# Altium PCB PCB2.PcbDoc (part 1 of 2)
Units mil, origin at the board's own origin, x right, y up, seen from the top; angles counter-clockwise.
Board outline 4322 x 2063 mil, 2 copper layers (Top Layer, Bottom Layer); 126 components, 114 nets, 474 pads, 142 vias.
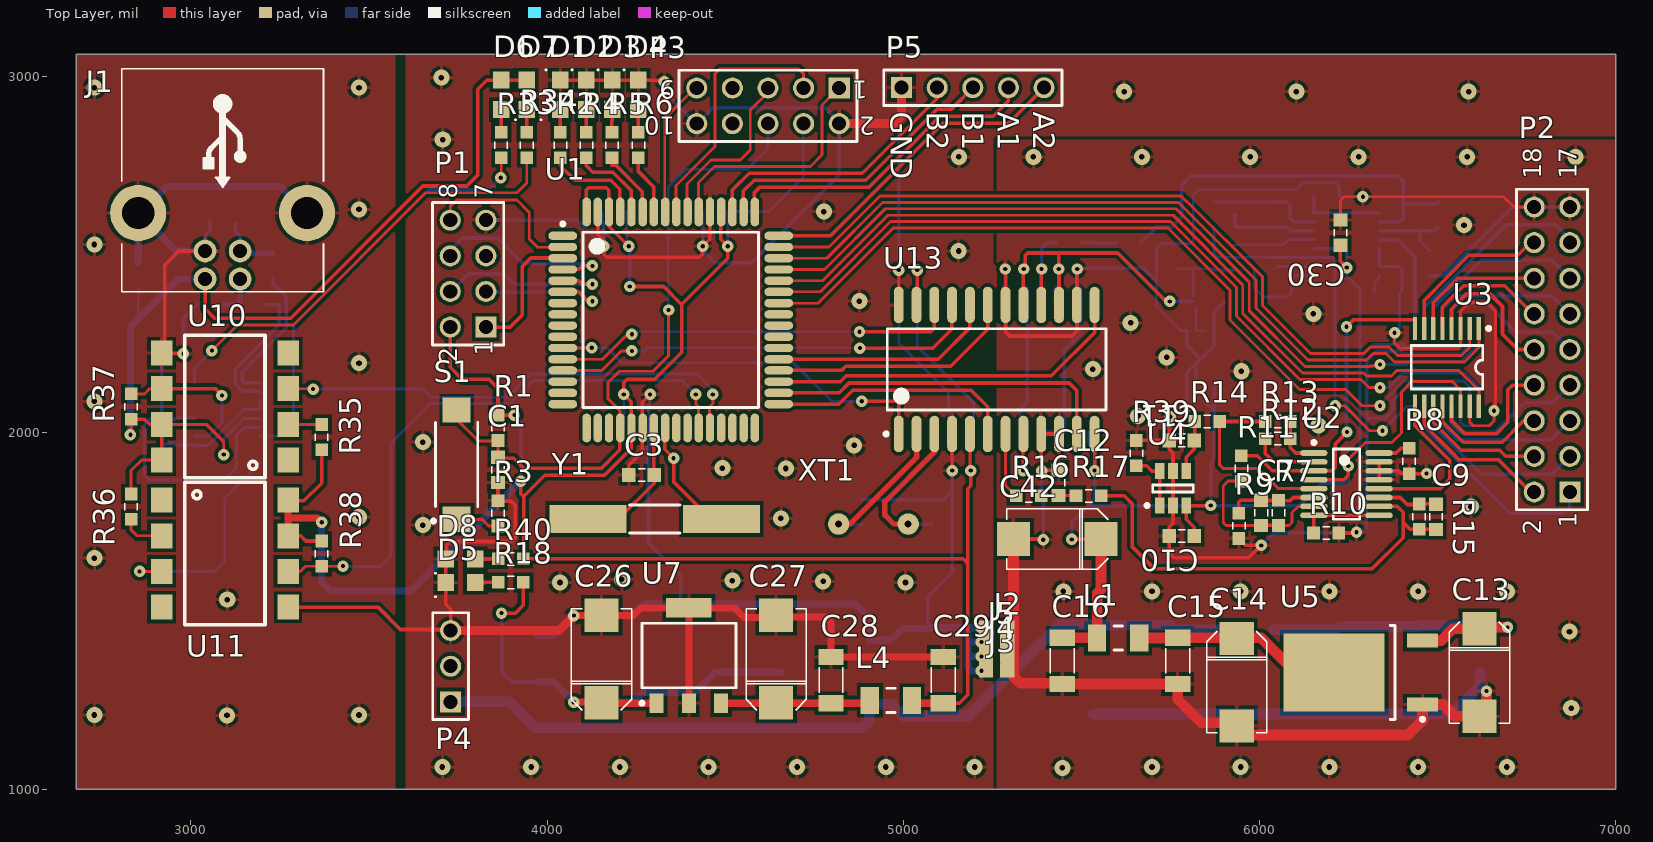
[diagram p0: Top Layer view]
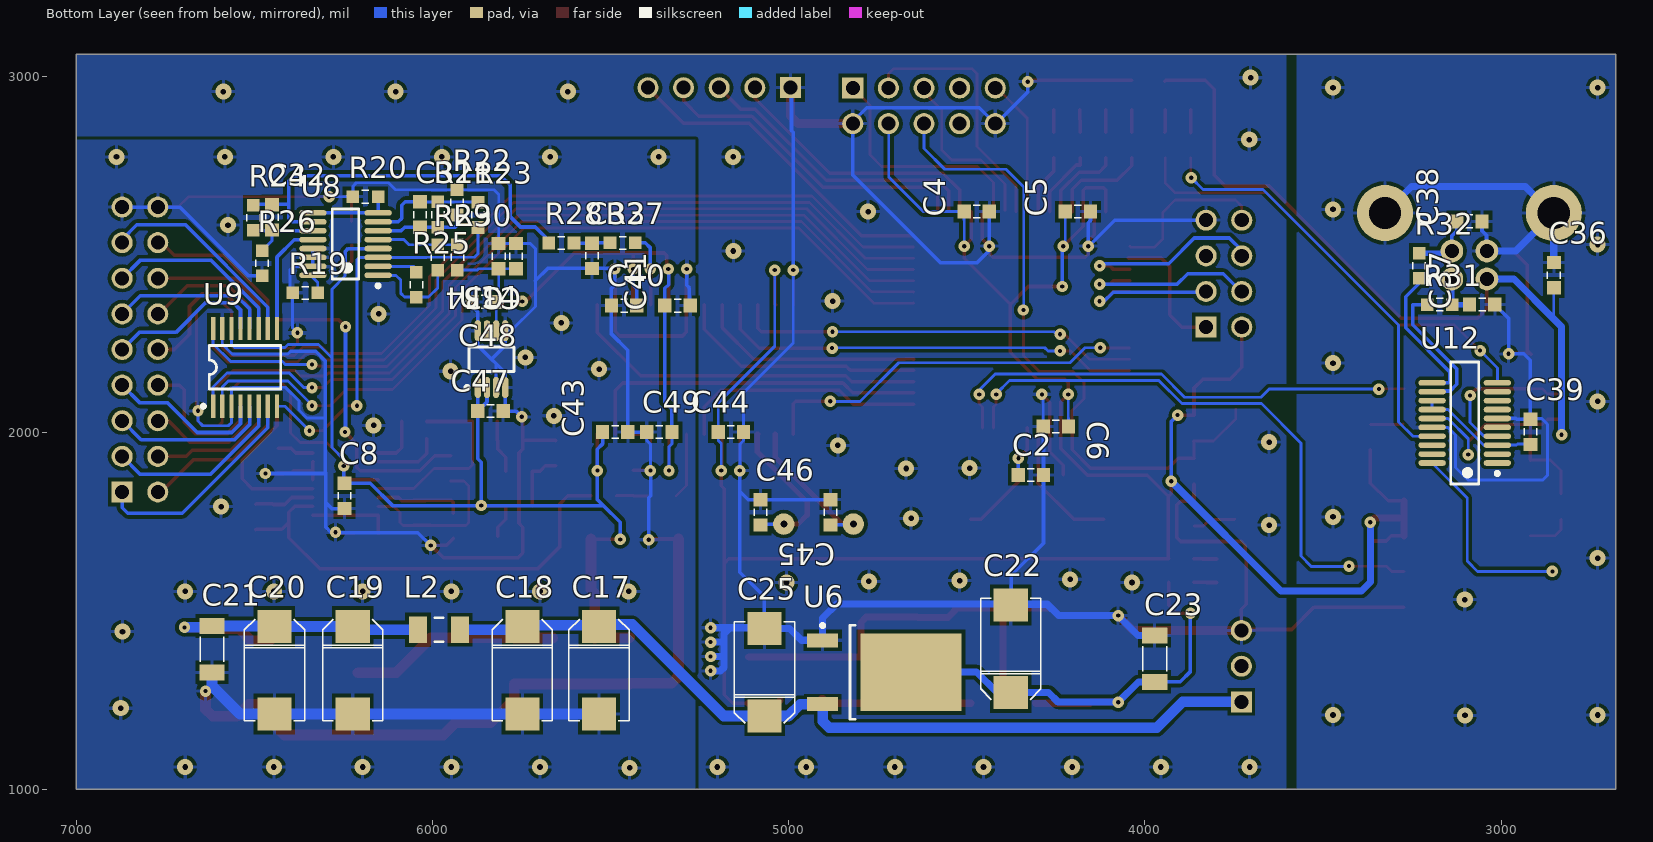
[diagram p1: Bottom Layer view, seen from below]
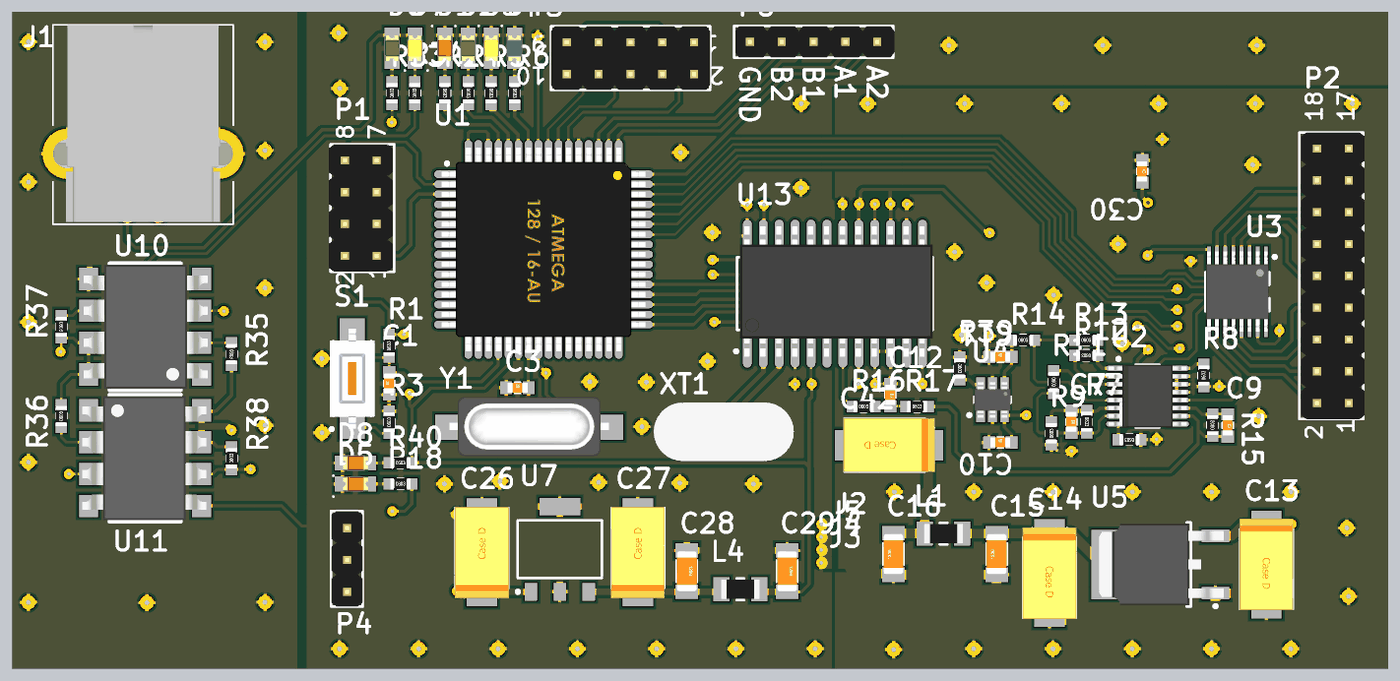
[diagram p3: 3D render of the assembled board from above, using the file's embedded part models]
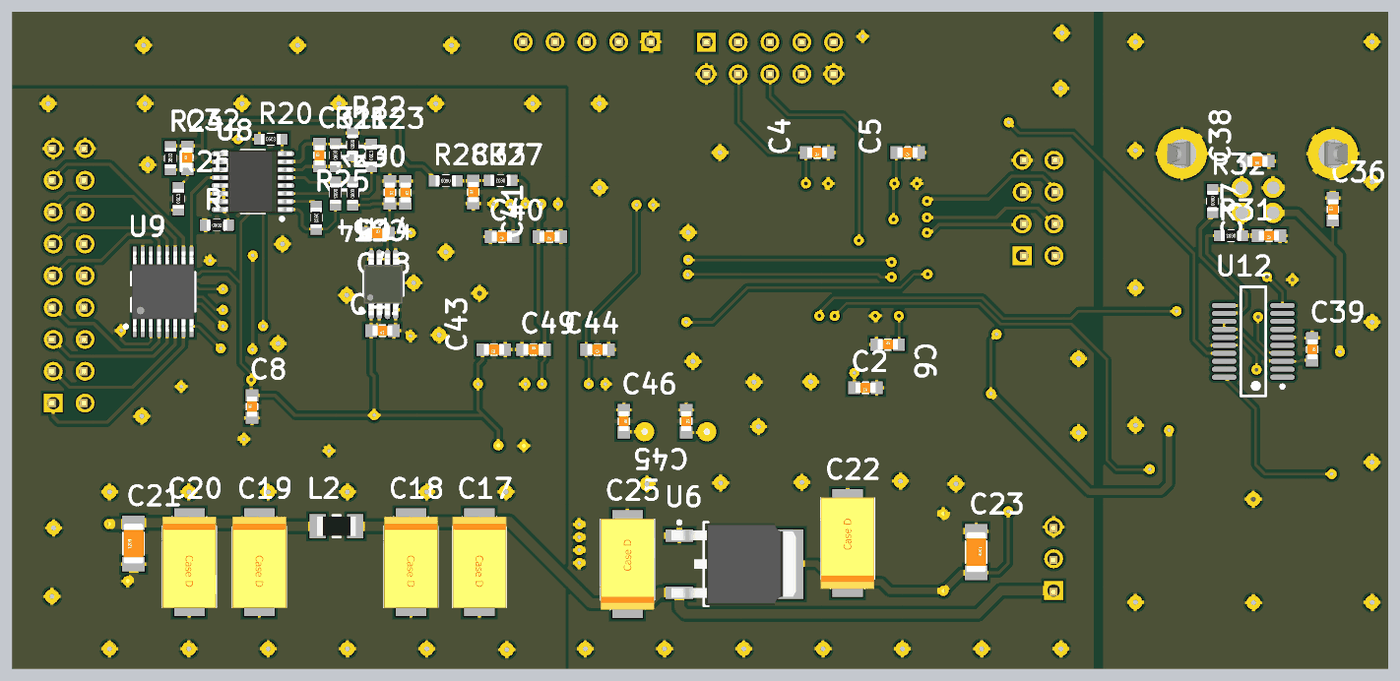
[diagram p4: 3D render of the assembled board from below, using the file's embedded part models]

## Layer stack, top to bottom
Top Solder: solder mask 0.4, Solder Resist, Dk 3.5
Top Layer: signal copper 1.4
Dielectric 1: dielectric 12.6, FR-4, Dk 4.8
Bottom Layer: signal copper 1.4
Bottom Solder: solder mask 0.4, Solder Resist, Dk 3.5

## Board outline
7000,3063 7000,1000 2678,1000 2678,3063

## Design rules (kind name [scope] priority, off if disabled: settings)
Clearance Clearance_2 [InComponent('J*') vs InComponent('J*')] p1: gap=0
Clearance [InComponent('U1') & InComponent('U10')] p2: gap=7
Clearance Clearance_1 [All] p3: gap=10 except(7: SMDPad-SMDPad)
Clearance PolygonClearance [InPolygon] p4: gap=20
ComponentClearance ComponentClearance_1Jumper [InComponent('J*') vs InComponent('J*')] p1: gap=0 collisioncheckmode=3 verticalgap=0 showdistances=FALSE
ComponentClearance [All] p2: gap=10 collisioncheckmode=3 verticalgap=10 showdistances=FALSE
DiffPairsRouting [All] p1: maxlimit=10 minlimit=10 mostfreqgap=10 toplayer_minwidth=10 toplayer_maxwidth=15 toplayer_prefwidth=10 bottomlayer_minwidth=10 bottomlayer_maxwidth=15 bottomlayer_prefwidth=10 maxuncoupledlength=500
MatchedLengths [All] p1: tolerance=100 checknetsindiffpair=TRUE checkdiffpairvsdiffpair=TRUE checkothers=TRUE
PolygonConnect [All] p1: connectstyle=Relief reliefconductorwidth=10 reliefentries=4 polygonreliefangle="90 Angle" airgapwidth=10
RoutingVias [All] p1: holewidth=11 width=32 viastyle="Through Hole" minholewidth=11 minwidth=32 maxholewidth=19.68 maxwidth=50
SolderMaskExpansion [All] p1: expansion=4
Width [All] p1: maxlimit=30 minlimit=8 preferedwidth=15 minimp=50.000000 maximp=50.000000 favimp=50.000000
28 further rules are at their usual default settings.

## Classes and differential pairs
component class U_power_unit: C13 C14 C15 C16 C17 C18 C19 C20 C21 C22 C23 C25 C26 C27 C28 C29 D5 D8 J2 J3 J4 J5 L1 L2 L4 R18 R40 U5 U6 U7
component class U_MCU: C1 C2 C3 C4 C5 C6 D1 D2 D3 D4 R1 R2 R3 R4 R5 R6 S1 U1 Y1
component class U_FTDI: C36 C37 C38 C39 D6 D7 J1 R31 R32 R33 R34 R35 R36 R37 R38 U10 U11 U12
component class U_connectors: P1 P2 P3 P4 P5
component class U_ADC: C40 C41 C42 C43 C44 C45 C46 C49 U13 XT1
component class RTD_interface: C30 C31 C32 C33 C34 C35 R19 R20 R21 R22 R23 R24 R25 R26 R27 R28 R29 R30 U8 U9
component class MOS_interface: C7 C8 C9 C10 C11 C12 R7 R8 R9 R10 R11 R12 R13 R14 R15 R16 R17 R39 U2 U3 U4
component class 2.5V-ref: C47 C48 U14
differential pair USB2: +USB2_P -USB2_N
differential pair USB: +USB_P -USB_N
differential pair MCLK: +MCLK_P -MCLK_N

## Components (designator, comment, footprint, x,y, rotation, side; value= is the part's Value field where it differs from the comment)
C1 "0603" SMD_Capacitor_0603 3862,1896 r90 top
C2 "0603" SMD_Capacitor_0603 4320,1882 r0 bottom
C3 "0603" SMD_Capacitor_0603 4265,1882 r0 top
C4 "0603" SMD_Capacitor_0603 4472,2621 r0 bottom
C5 "0603" SMD_Capacitor_0603 4188,2621 r0 bottom
C6 "0603" SMD_Capacitor_0603 4250,2018 r180 bottom
C7 "0603" SMD_Capacitor_0603 6004.56,1775.51 r270 top
C8 "0603" SMD_Capacitor_0603 6247,1823 r90 bottom
C9 "0603" SMD_Capacitor_0603 6495.74,1764 r270 top
C10 "0603" SMD_Capacitor_0603 5781.5,1710.25 r0 top
C11 "0603" SMD_Capacitor_0603 5781.5,1979.25 r0 top
C12 "0603" SMD_Capacitor_0603 5436,1859.57 r270 top
C13 "Tantalum" Tantalum_cap_D 6617,1327 r270 top
C14 "Tantalum" Tantalum_cap_D 5936,1300 r270 top
C15 "1206" SMD_Capacitor_1206 5770,1360 r90 top
C16 "1206" SMD_Capacitor_1206 5446,1360 r90 top
C17 "Tantalum" Tantalum_cap_D 5532.66,1333.77 r270 bottom
C18 "Tantalum" Tantalum_cap_D 5747.66,1333.77 r270 bottom
C19 "Cap2" Tantalum_cap_D 6223.66,1333.77 r270 bottom
C20 "Tantalum" Tantalum_cap_D 6443.66,1333.77 r270 bottom
C21 "1206" SMD_Capacitor_1206 6618.66,1392.66 r90 bottom
C22 "Tantalum" Tantalum_cap_D 4376.45,1394 r90 bottom
C23 "1206" SMD_Capacitor_1206 3972.53,1366 r270 bottom
C25 "Tantalum" Tantalum_cap_D 5067.45,1328 r90 bottom
C26 "Tantalum" Tantalum_cap_D 4153,1365 r90 top
C27 "Tantalum" Tantalum_cap_D 4643,1365 r90 top
C28 "1206" SMD_Capacitor_1206 4797,1306 r270 top
C29 "1206" SMD_Capacitor_1206 5112,1306 r270 top
C30 "0603" SMD_Capacitor_0603 6227,2562 r270 top
C31 "0603" SMD_Capacitor_0603 6034.75,2613 r90 bottom
C32 "0603" SMD_Capacitor_0603 6450,2605 r90 bottom
C33 "0603" SMD_Capacitor_0603 5552,2497 r90 bottom
C34 "0603" SMD_Capacitor_0603 5814,2496 r270 bottom
C35 "0603" SMD_Capacitor_0603 5765,2496 r270 bottom
C36 "0603" SMD_Capacitor_0603 2851.99,2443 r90 bottom
C37 "0603" SMD_Capacitor_0603 3053,2360 r0 bottom
C38 "0603" SMD_Capacitor_0603 3089,2594 r0 bottom
C39 "0603" SMD_Capacitor_0603 2917,2003 r270 bottom
C40 "0603" SMD_Capacitor_0603 5462,2357 r0 bottom
C41 "0603" SMD_Capacitor_0603 5312,2357 r0 bottom
C42 "Tantalum" Tantalum_cap_D 5432,1702 r180 top
C43 "0603" SMD_Capacitor_0603 5487,2002 r0 bottom
C44 "0603" SMD_Capacitor_0603 5162,2002 r0 bottom
C45 "0603" SMD_Capacitor_0603 4883,1777 r270 bottom
C46 "0603" SMD_Capacitor_0603 5079,1777 r270 bottom
C47 "0603" SMD_Capacitor_0603 5837,2061.32 r0 bottom
C48 "ESR < 0.1 Ohm" SMD_Capacitor_0603 5853,2368 r180 bottom
C49 "0603" SMD_Capacitor_0603 5363,2002 r180 bottom
D1 "LED3" "LED 0805 RED" 4037.01,2949 r90 top
D2 "LED3" "LED 0805 GREEN" 4110.01,2949 r90 top
D3 "LED3" "LED 0805 Yellow" 4183.01,2949 r90 top
D4 "LED3" "LED 0805 Blue" 4256.01,2949 r90 top
D5 "LED3" "LED 0805 RED" 3756.68,1580 r180 top
D6 "green" "LED 0805 GREEN" 3871,2949 r270 top
D7 "yellow" "LED 0805 Yellow" 3943,2949 r270 top
D8 "LED?" "LED 0805 RED" 3756.68,1646 r180 top
J1 "USB-B" USB_TypeB_Tyco 3089,3022 r270 top
J2 "2 way net tie junction" 2way_MP 5262,1453 r0 top net-tie
J3 "2 way net tie junction" 2way_MP 5262,1333 r0 top net-tie
J4 "2 way net tie junction" 2way_MP 5262,1373 r0 top net-tie
J5 "2 way net tie junction" 2way_MP 5262,1413 r0 top net-tie
L1 "Ferrite Bead" "Ferrite 1206" 5603,1424 r180 top
L2 "Ferrite Bead" "Ferrite 1206" 5981.42,1447.22 r0 bottom
L4 "Ferrite Bead" "Ferrite 1206" 4965,1249 r0 top
P1 "ESP8266" "Header 2x4" 3778,2447 r90 top
P2 "MOS board" "Header 2x9" 6821,2234 r90 top
P3 "JTAG" "Header 2x5" 4620,2918 r180 top
P4 "Power" "Header 1x3" 3729,1345 r90 top
P5 "H-bridge" "Header 1x5" 5195,2969 r0 top
R1 "0603" SMD_Resistor_0603 3862,2014 r90 top
R2 "0603" SMD_Resistor_0603 4037.28,2808 r270 top
R3 "0603" SMD_Resistor_0603 3862,1774.17 r90 top
R4 "0603" SMD_Resistor_0603 4110.28,2808 r270 top
R5 "0603" SMD_Resistor_0603 4182.01,2808 r270 top
R6 "0603" SMD_Resistor_0603 4256.28,2808 r270 top
R7 "0603" SMD_Resistor_0603 6052.99,1775.51 r270 top
R8 "0603" SMD_Resistor_0603 6420,1921 r90 top
R9 "0603" SMD_Resistor_0603 5942,1739 r90 top
R10 "0603" SMD_Resistor_0603 6187,1719 r180 top
R11 "0603" SMD_Resistor_0603 5949,1900 r270 top
R12 "0603" SMD_Resistor_0603 6051,1984 r180 top
R13 "0603" SMD_Resistor_0603 6051,2032 r0 top
R14 "0603" SMD_Resistor_0603 5853,2032 r0 top
R15 "0603" SMD_Resistor_0603 6448,1765 r90 top
R16 "0603" SMD_Resistor_0603 5352,1823.15 r0 top
R17 "0603" SMD_Resistor_0603 5520,1823.15 r0 top
R18 "0603" SMD_Resistor_0603 3897.68,1580.27 r0 top
R19 "0603" SMD_Resistor_0603 6357,2393 r180 bottom
R20 "0603" SMD_Resistor_0603 6188,2663 r180 bottom
R21 "0603" SMD_Resistor_0603 5984.75,2613 r90 bottom
R22 "0603" SMD_Resistor_0603 5931,2647 r270 bottom
R23 "0603" SMD_Resistor_0603 5872,2612 r90 bottom
R24 "0603" SMD_Resistor_0603 6503,2604 r90 bottom
R25 "0603" SMD_Resistor_0603 6045,2416 r270 bottom
R26 "0603" SMD_Resistor_0603 6478,2476 r90 bottom
R27 "0603" SMD_Resistor_0603 5466,2533.42 r0 bottom
R28 "0603" SMD_Resistor_0603 5638,2533 r0 bottom
R29 "0603" SMD_Resistor_0603 5985,2492.5 r270 bottom
R30 "0603" SMD_Resistor_0603 5930,2492.5 r90 bottom
R31 "0603" SMD_Resistor_0603 3172,2360 r0 bottom
R32 "0603" SMD_Resistor_0603 3230,2469 r270 bottom
R33 "0603" SMD_Resistor_0603 3871,2808 r90 top
R34 "0603" SMD_Resistor_0603 3942.73,2808 r90 top
R35 "0603" SMD_Resistor_0603 3367,1988 r270 top
R36 "0603" SMD_Resistor_0603 2832,1793 r90 top
R37 "0603" SMD_Resistor_0603 2832,2074 r270 top
R38 "0603" SMD_Resistor_0603 3367,1661 r90 top
R39 "0603" SMD_Resistor_0603 5654,1943 r270 top
R40 "0603" SMD_Resistor_0603 3897.68,1646.27 r0 top
S1 "SW-PB" "Tact Switch 3x6" 3746,1911 r90 top
U1 "ATmega128A-AU" 64A_M 4347,2317 r0 top
U2 "LTC6079" SSOP-16 6244,1856 r0 top
U3 "ADG709" TSSOP16 6526,2184 r180 top
U4 "ADR130BUJZ-R2" ADI-UJ-6_M 5756.96,1844.25 r90 top
U5 "LMS8117-TO3" TD03B_M 6284,1327 r180 top
U6 "LMS8117-TO3" TD03B_M 4731.45,1328 r180 bottom
U7 "LT1129MPST-3.3#PBF" LT-ST-3-SOT-223_N 4398,1375 r90 top
U8 "LTC6079" SSOP-16 6244,2530 r0 bottom
U9 "ADG709" TSSOP16 6526,2184 r180 bottom
U10 "6N137" "Surface Mount DIP 8-pin" 3273,1924 r180 top
U11 "6N137" "Surface Mount DIP 8-pin" 2918,1811 r0 top
U12 "COM-USB-FT231XS-IL20" SSOP-20_L 3102,2028 r0 bottom
U13 "AD7714YRZ" RW-24_M 5262,2178 r90 top
U14 "LTC6655-2.5" MSOP-8 5834.05,2207.04 r90 bottom
XT1 "2.4576MHz" HC49U 4916,1744 r0 top
Y1 "11.0592MHz" Quartz 4302,1758 r0 top

## Footprints (in the part's own frame and the unit in brackets; to place one, negate y for a bottom-side part, rotate by r counter-clockwise, add the part's x,y. Pads: shape width x height; smd on the part's side, far side on the other; paste and mask are expansions set on the pad)
2way_MP [mil] "2 way medium power net tie junction"
  rrect5% 40x40 smd paste-100: 1(-30,0) 2(30,0)
64A_M [mm] "Thin QFP, 64-Leads, Body 14x14mm, Pitch 0.8mm, IPC Low Density"
  oval 2.05x0.6 smd: 1(-7.7,6) 2(-7.7,5.2) 3(-7.7,4.4) 4(-7.7,3.6) 5(-7.7,2.8) 6(-7.7,2) 7(-7.7,1.2) 8(-7.7,0.4) 9(-7.7,-0.4) 10(-7.7,-1.2) 11(-7.7,-2) 12(-7.7,-2.8) 13(-7.7,-3.6) 14(-7.7,-4.4) 15(-7.7,-5.2) 16(-7.7,-6) 33(7.7,-6) 34(7.7,-5.2) 35(7.7,-4.4) 36(7.7,-3.6) 37(7.7,-2.8) 38(7.7,-2) 39(7.7,-1.2) 40(7.7,-0.4) 41(7.7,0.4) 42(7.7,1.2) 43(7.7,2) 44(7.7,2.8) 45(7.7,3.6) 46(7.7,4.4) 47(7.7,5.2) 48(7.7,6)
  oval 0.6x2.05 smd: 17(-6,-7.7) 18(-5.2,-7.7) 19(-4.4,-7.7) 20(-3.6,-7.7) 21(-2.8,-7.7) 22(-2,-7.7) 23(-1.2,-7.7) 24(-0.4,-7.7) 25(0.4,-7.7) 26(1.2,-7.7) 27(2,-7.7) 28(2.8,-7.7) 29(3.6,-7.7) 30(4.4,-7.7) 31(5.2,-7.7) 32(6,-7.7) 49(6,7.7) 50(5.2,7.7) 51(4.4,7.7) 52(3.6,7.7) 53(2.8,7.7) 54(2,7.7) 55(1.2,7.7) 56(0.4,7.7) 57(-0.4,7.7) 58(-1.2,7.7) 59(-2,7.7) 60(-2.8,7.7) 61(-3.6,7.7) 62(-4.4,7.7) 63(-5.2,7.7) 64(-6,7.7)
  silkscreen extent -7.82,-6.25 6.25,6.97, body extent -8.12,-8.12 8.12,8.12, height 1.35
ADI-UJ-6_M [mm] "SOT23, 6-Leads, Body 2.9x1.6mm, Pitch 0.95mm, IPC Low Density"
  rect 1.15x0.7 smd: 1(-1.225,0.95) 2(-1.225,0) 3(-1.225,-0.95) 4(1.225,-0.95) 5(1.225,0) 6(1.225,0.95)
  silkscreen extent -1.35,-1.45 0.25,1.97, body extent -1.41,-1.45 1.41,1.45, height 1.25
"Ferrite 1206" [mm]
  rect 1.3x1.92 smd: 1(-1.5,0) 2(1.5,0)
  silkscreen extent -0.3,-0.86 0.3,0.86, body extent -1.55,-0.77 1.55,0.78, height 0.55
HC49U [mil]
  round 60 hole 19.68: 1(-97.64,0) 2(97.64,0)
  body extent -223,-92 217,92, height 531
"Header 1x3" [mm]
  rect 1.5x1.5 hole 1: 1(-2.54,0)
  round 1.5 hole 1: 2(0,0) 3(2.54,0)
  silkscreen extent -3.81,-1.27 3.81,1.27, body extent -3.81,-1.27 3.81,1.23, height 8.2
"Header 1x5" [mm]
  rect 1.5x1.5 hole 1: 1(-5.08,0)
  round 1.5 hole 1: 2(-2.54,0) 3(0,0) 4(2.54,0) 5(5.08,0)
  silkscreen extent -6.35,-1.27 6.35,1.27, body extent -6.25,-1.25 6.45,1.25, height 8.2
"Header 2x4" [mm]
  rect 1.5x1.5 hole 1: 1(-3.81,-1.27)
  round 1.5 hole 1: 2(-3.81,1.27) 3(-1.27,-1.27) 4(-1.27,1.27) 5(1.27,-1.27) 6(1.27,1.27) 7(3.81,-1.27) 8(3.81,1.27)
  silkscreen extent -5.08,-2.54 5.08,2.54, body extent -5.08,-2.41 5.08,2.67, height 8.5
"Header 2x5" [mm]
  rect 1.5x1.5 hole 1: 1(-5.08,-1.27)
  round 1.5 hole 1: 2(-5.08,1.27) 3(-2.54,-1.27) 4(-2.54,1.27) 5(0,-1.27) 6(0,1.27) 7(2.54,-1.27) 8(2.54,1.27) 9(5.08,-1.27) 10(5.08,1.27)
  silkscreen extent -6.35,-2.54 6.35,2.54, body extent -6.35,-2.54 6.35,2.54, height 8.5
"Header 2x9" [mm]
  rect 1.5x1.5 hole 1: 1(-10.16,-1.27)
  round 1.5 hole 1: 2(-10.16,1.27) 3(-7.62,-1.27) 4(-7.62,1.27) 5(-5.08,-1.27) 6(-5.08,1.27) 7(-2.54,-1.27) 8(-2.54,1.27) 9(0,-1.27) 10(0,1.27) 11(2.54,-1.27) 12(2.54,1.27) 13(5.08,-1.27) 14(5.08,1.27) 15(7.62,-1.27) 16(7.62,1.27) 17(10.16,-1.27) 18(10.16,1.27)
  silkscreen extent -11.43,-2.54 11.43,2.54, body extent -11.43,-2.67 11.43,2.41, height 8.5
"LED 0805 Blue" [mm]
  rect 1.2x1.2 smd: 1(-1.05,0) 2(1.05,0)
  silkscreen extent 1.73,0.97 1.83,1.07, body extent -1.01,-0.62 1.01,0.63, height 1.1
"LED 0805 GREEN" [mm]
  rect 1.2x1.2 smd: 1(-1.05,0) 2(1.05,0)
  silkscreen extent 1.73,0.97 1.83,1.07, body extent -1.01,-0.62 1.01,0.63, height 1.1
"LED 0805 RED" [mm] "SODFL, 2-Leads, Body 1,25x2,00mm, IPC Medium Density"
  rect 1.2x1.2 smd: 1(-1.05,0) 2(1.05,0)
  silkscreen extent 1.73,0.97 1.83,1.07, body extent -1.01,-0.62 1.01,0.63, height 1.1
"LED 0805 Yellow" [mm]
  rect 1.2x1.2 smd: 1(-1.05,0) 2(1.05,0)
  silkscreen extent 1.73,0.97 1.83,1.07, body extent -1.01,-0.62 1.01,0.63, height 1.1
LT-ST-3-SOT-223_N [mm] "SOT223, 4-Leads, Body 6.505x3.505mm, Pitch 2.3mm, IPC Medium Density"
  rect 1.4x1 smd: 1(-3.4,2.3) 2(-3.4,0) 3(-3.4,-2.3)
  rect 1.4x3.25 smd: 4(3.4,0)
  silkscreen extent -3.52,-3.35 2.3,3.47, body extent -1.86,-3.35 1.86,3.35, height 1.8
MSOP-8 [mm] "MSOP, 8-Leads, Body 3x3mm, Pitch 0.65mm, IPC High Density"
  oval 1.5x0.45 smd: 1(-2.025,0.975) 2(-2.025,0.325) 3(-2.025,-0.325) 4(-2.025,-0.975) 5(2.025,-0.975) 6(2.025,-0.325) 7(2.025,0.325) 8(2.025,0.975)
  silkscreen extent -2.15,-1.6 0.87,1.88, body extent -2.47,-1.55 2.47,1.55, height 1.1
Quartz [mm]
  rect 5.5x2 smd: 1(-4.75,0) 2(4.75,0)
  silkscreen extent -1.8,-1 1.8,1, body extent -6.35,-2.29 6.35,2.41, height 4.2
RW-24_M [mm] "SOIC, 24-Leads, Body 15.4x7.5mm, Pitch 1.27mm, IPC Low Density"
  oval 2.6x0.7 smd: 1(-4.6,6.985) 2(-4.6,5.715) 3(-4.6,4.445) 4(-4.6,3.175) 5(-4.6,1.905) 6(-4.6,0.635) 7(-4.6,-0.635) 8(-4.6,-1.905) 9(-4.6,-3.175) 10(-4.6,-4.445) 11(-4.6,-5.715) 12(-4.6,-6.985) 13(4.6,-6.985) 14(4.6,-5.715) 15(4.6,-4.445) 16(4.6,-3.175) 17(4.6,-1.905) 18(4.6,-0.635) 19(4.6,0.635) 20(4.6,1.905) 21(4.6,3.175) 22(4.6,4.445) 23(4.6,5.715) 24(4.6,6.985)
  silkscreen extent -4.72,-7.8 2.9,8.01, body extent -5.02,-7.8 5.38,7.6, height 2.6
SMD_Capacitor_0603 [mm] "SMD Capacitor, Inch 0603, Metric 1608."
  rect 0.95x1 smd: 1(-0.9,0) 2(0.9,0)
  silkscreen extent -0.25,-0.45 0.25,0.45, body extent -0.8,-0.4 0.8,0.4, height 0.3
SMD_Capacitor_1206 [mm] "SMD Capacitor, Inch 1206, Metric 3216."
  rect 1.15x1.8 smd: 1(-1.65,0) 2(1.65,0)
  silkscreen extent -0.9,-0.85 0.9,0.85, body extent -1.6,-0.8 1.6,0.8, height 1
SMD_Resistor_0603 [mm] "SMD Resistor, Inch 0603, Metric 1608."
  rect 0.9x0.9 smd: 1(-0.9,0) 2(0.9,0)
  silkscreen extent -0.25,-0.45 0.25,0.45, body extent -0.8,-0.45 0.8,0.45, height 0.5
SSOP-16 [mm] "SOP, 16-Leads, Body 5x4mm, Pitch 0.635mm, IPC High Density"
  oval 1.95x0.4 smd: 1(-2.325,2.222) 2(-2.325,1.587) 3(-2.325,0.953) 4(-2.325,0.318) 5(-2.325,-0.318) 6(-2.325,-0.953) 7(-2.325,-1.587) 8(-2.325,-2.222) 9(2.325,-2.222) 10(2.325,-1.587) 11(2.325,-0.953) 12(2.325,-0.318) 13(2.325,0.318) 14(2.325,0.953) 15(2.325,1.587) 16(2.325,2.222)
  silkscreen extent -2.45,-2.5 0.95,3.1, body extent -3.13,-2.5 3.13,2.5, height 1.74
SSOP-20_L [mm] "SOP, 20-Leads, Body 8.6x3.9mm, Pitch 0.635mm, IPC High Density"
  oval 1.95x0.4 smd: 1(-2.325,2.857) 2(-2.325,2.222) 3(-2.325,1.587) 4(-2.325,0.953) 5(-2.325,0.318) 6(-2.325,-0.318) 7(-2.325,-0.953) 8(-2.325,-1.587) 9(-2.325,-2.222) 10(-2.325,-2.857) 11(2.325,-2.857) 12(2.325,-2.222) 13(2.325,-1.587) 14(2.325,-0.953) 15(2.325,-0.318) 16(2.325,0.318) 17(2.325,0.953) 18(2.325,1.587) 19(2.325,2.222) 20(2.325,2.857)
  silkscreen extent -2.45,-4.35 1,4.35, body extent -1.99,-4.37 1.99,4.37, height 1.76
"Surface Mount DIP 8-pin" [mil]
  rect 60x70 smd: 1(0,0) 2(0,-100) 3(0,-200) 4(0,-300) 5(355,-300) 6(355,-200) 7(355,-100) 8(355,0)
  silkscreen extent 65,-350 290,50, body extent -20,-345 370,45, height 171
"Tact Switch 3x6" [mm] "SODFL, 2-Leads, Body 3,00x8,00mm, IPC Medium Density"
  rect 1.8x2 smd: 1(-3.9,0) 2(3.9,0)
  silkscreen extent -4.15,-1.5 3,1.77, body extent -4,-1.8 4,1.8, height 2.6
Tantalum_cap_D [mm] "Tantalum capacitor D-package. Also named EIA 7343-31."
  rect 2.37x2.43 smd: 1(-3.12,0) 2(3.12,0)
  silkscreen extent -3.64,-2.15 3.6,2.15, body extent -3.65,-2.15 3.65,2.15, height 2.85
TD03B_M [mm] "D-PAK, 4-Leads, Body 6.1x6.6mm, Pitch 2.29mm, Lead Span 9.7mm, IPC Low Density"
  rect 2.2x1 smd: 1(-4.4,2.28) 3(-4.4,-2.28)
  rect 7.2x5.55 smd: 4(1.9,0)
  silkscreen extent -4.52,-3.35 -2.1,3.45, body extent -5.05,-3.27 4.89,3.27, height 2.29
TSSOP16 [mm] "Shrink Small Outline; 16 Leads; Body Width 4.4 mm; Pitch 0.65 mm"
  rect 0.3x1.65 smd: 1(-2.275,-2.775) 2(-1.625,-2.775) 3(-0.975,-2.775) 4(-0.325,-2.775) 5(0.325,-2.775) 6(0.975,-2.775) 7(1.625,-2.775) 8(2.275,-2.775) 9(2.275,2.775) 10(1.625,2.775) 11(0.975,2.775) 12(0.325,2.775) 13(-0.325,2.775) 14(-0.975,2.775) 15(-1.625,2.775) 16(-2.275,2.775)
  silkscreen extent -3.1,-2.9 2.55,1.55, body extent -2.5,-3.2 2.5,3.2, height 1.1
USB_TypeB_Tyco [mm]
  round 1.626 hole 1: 1(14.99,-1.25) 2(14.99,1.25) 3(12.99,1.25) 4(12.99,-1.25)
  round 4 hole 2.3: MH(10.28,6.02) MH(10.28,-6.02)
  silkscreen extent 0,-7.2 15.9,7.2, body extent 0,-7.19 15.7,7.19, height 11.5

## Part data
C1 C4 C5 C6 C7 C8 C9 C10 C11 C12 C15 C16 C21 C23 C28 C29 C30 C31 C32 C33 C34 C35 C36 C37 C38 C39 C47 C48: library part Cap, "Capacitor"
C2 C3 C40 C41 C43 C44 C45 C46 C49: library part Cap1, "Capacitor"
C13 C14 C17 C18 C20 C22 C25 C26 C27: library part Cap2, "Capacitor"
C19: "Capacitor"
C42: library part "Cap Pol1", "Polarized Capacitor (Radial)"
D1 D2 D3 D4 D5: "Typical BLUE SiC LED"
D6 D7: library part LED2, "Typical RED, GREEN, YELLOW, AMBER GaAs LED"
D8: library part LED3, "Typical BLUE SiC LED"
J1: library part USB_TypeB, "Connector THT Type B USB connector"
J2 J3 J4 J5: library part 2way
L1 L2 L4: library part Inductor, "Inductor"
P1: library part "Header 4X2", "Header, 4-Pin, Dual row"
P2: library part "Header 9X2", "Header, 9-Pin, Dual row"
P3: library part "Header 5X2", "Header, 5-Pin, Dual row"
P4: library part "Header 3", "Header, 3-Pin"
P5: library part "Header 5", "Header, 5-Pin"
R1 R2 R3 R4 R5 R6 R7 R8 R9 R10 R11 R12 R13 R14 R15 R16 R17 R18 R19 R20 R21 R22 R23 R24 R25 R26 R27 R28 R29 R30 R31 R32 R33 R34 R35 R36 R37 R38 R39 R40: library part Res2, "Resistor"
S1: "Switch"
U1: "8-bit AVR Microcontroller, 2.7-5.5V, 16MHz, 128KB Flash, 4KB EEPROM, 4KB SRAM, 64-pin TQFP, Industrial Grade (-40°C to 85°C)"
U2 U8: "Rail-to-rail, quad operational amplifier. Library compatible with LTC608X LTC607X op-amps"
U3 U9: "CMOS Analog 4-Channel Multiplexer"
U4: "Precision Series Sub-Band Gap Voltage Reference, 1 V Output, 2 to 18 V Supply, Industrial, 6-pin SOT23 (UJ-6), Reel"
U7: "Micropower Low Dropout Regulator with Shutdown, 4.15 to 30 V Vin, 3.3 V Vout, 3-pin SOT223 (ST-3), -55 to 125 degC, Pb-Free"
U13: "5 Channel 24-Bit Signal Conditioning Analog-to-Digital Converter with Serial, SPI Interface, 500 uA, CMOS, 3 V / 5 V, 1KSPS, -40 to +105 degC, RW-24, Pb-Free, Tube"
U14: "0.25ppm Noise, Low Drift  Precision References"
XT1: library part Crystal, "AKER  C-2.4576-18-3050-X"
Y1: library part XTAL, "LF XTAL003519"

## Via types
v1: diameter 32, hole 11.81, Top Layer to Bottom Layer, 74 vias
v2: diameter 45, hole 15.75, Top Layer to Bottom Layer, 68 vias

## Nets (pads, with @x,y where several pads share a name; then routed paths per layer and width w, separated by ;. In a path a pad name is that pad's centre, name@x,y a point inside that pad or via, vN(x,y) a via of type N, cw(c..) or ccw(c..) an arc to the next point about the centre after c; other vN are vias at no path point)
2.5V-REF: C34.2 C35.2 C40.1 C41.2 C48.2 C49.2 R30.1 U13.8 U13.15 U13.17 U14.6 U14.7 | length 1940.8
  Top Layer w8: v1(5336,1894) U13.8@5336,1996.9
  Top Layer w10: U13.17@5337,2359.1 v1@5337,2458 ; v1@5337,2459 v1(5338,2460) 5342,2464 5342,2498 5349,2505 5436,2505 ; U13.15@5437,2359.1 5437,2459 v1(5436,2460) v1@5436,2460.5 ; v1@5437,2459.5 5436.25,2460.25 v1@5436,2460.5 ; v1(5748,2369) 5739.37,2369 5738.69,2368.31 5602,2505 5436,2505 ; v1@5436,2460.5 5436,2505
  Bottom Layer w8: C49.2@5327.57,2002 5327.57,1969.43 5336,1961 v1(5336,1894) ; C35.2@5765,2460.57 C34.2@5814,2460.57 ; C48.2@5814,2384.88 C34.2@5814,2460.57 ; C48.2@5821,2350.75 5821,2287.01 U14.6@5821.25,2286.76 U14.7@5846.84,2286.76 ; R30.1@5930,2457.07 5929.93,2457 5874,2457 5870.43,2460.57 C34.2@5814,2460.57
  Bottom Layer w10: C49.2@5327.57,2002 5327.57,2066.57 5347.43,2086.43 C41.2@5347.43,2357 5347.43,2405.57 5337,2416 v1@5337,2460 ; C40.1@5426.57,2357 5426.57,2404.57 5436,2414 v1(5436,2460) ; v1(5748,2369) C48.2@5811.57,2369
3V3-DIG: C4.2 C5.2 C6.2 C29.2 C44.2 L4.2 P1.2 P3.4 R1.2 R35.2 R38.2 R40.2 U1.21 U1.52 U1.62 U1.64 U11.7 U11.8 U13.5 U13.23 | length 7555.4
  Top Layer w8: v1@5187,1896 U13.5@5187,1996.9
  Top Layer w10: U11.8@3271,1807 3273,1809 3317,1809 3367,1859 R35.2@3367,1952.57 ; U11.7@3273,1711 3308,1711 3322.57,1696.43 R38.2@3367,1696.43 ; P1.2@3728,2299 P1.2@3728,2297 3728,2184 3761,2151 3837,2151 3862,2126 R1.2@3862,2049.43 3906.43,2049.43 v1@3907,2050 ; v1(3926,1864) 3926,1829 3933,1822 3934,1822 3993,1881 4161,1881 4236,1956 4236,2013.62 4235.76,2013.86 4235.76,2087.24 v1(4215,2108) 4215,2141 4225,2151 4302.46,2151 4378,2226.54 4378,2360 4327,2411 v1@4233,2411 ; R40.2@3933.12,1646.27 5167.73,1646.27 5180.5,1633.5 ; R40.2@3934,1647 3934,1821 ; U1.64@4109.78,2620.16 4109.78,2681.78 4116,2688 4166,2688 4172.77,2681.23 4172.77,2620.15 4172.77,2580.23 v1(4229,2524) ; 4378,2361 4507,2490 v1(4507,2524) 4487.73,2543.27 U1.52@4487.73,2620.15 ; U13.23@5037,2359.1 5039,2361.1 v1(5039,2457) ; C29.2@5112,1241.04 5157.04,1241.04 5181,1265 5181,1633 5180.5,1633.5 ; 5180,1633 5180.5,1633.5 ; v1@5187,1896 v1(5189,1894) 5189,1852 5180.5,1843.5 5180.5,1633.5
  Top Layer w20: U11.7@3273,1711 3273,1761 ; U11.8@3273,1809 3273,1761 ; v1(3367,1749) 3355,1761 3273,1761 ; L4.2@5024.06,1249 5032.02,1241.04 C29.2@5112,1241.04
  Bottom Layer w8: C6.2@4214.57,2018 4214.57,2041.68 4215,2042.12 v1(4215,2108) ; C5.2@4223.43,2621 4223.43,2529.57 v1(4229,2524) v1@4232,2521 ; v1(4507,2524) 4507,2596.88 4507.43,2597.32 C4.2@4507.43,2621 4622,2621 4719,2718 4719,2868 4719.5,2868.5 P3.4@4720,2869 ; v1(5039,2457) 5039,2243 5197.43,2084.57 C44.2@5197.43,2002 5197.43,1978.32 5189,1969.88 v1(5189,1894)
  Bottom Layer w10: v1(3908,2050) 3926,2032 v1(3926,1864) ; v1(4232,2411) v1@4232,2521
  Bottom Layer w20: v1@3367,1748 3367,1581 3392,1556 3618,1556 v1(3926,1864)
5V-AN: C8.2 C10.2 C16.2 C30.2 C42.1 C43.2 C47.2 L1.2 U2.4 U3.14 U4.3 U8.4 U9.14 U13.12 U14.1 U14.2 | length 4096.6
  Top Layer w8: v1(6249,1907) 6249,1925 6297,1973 6371,1973 6398,2000 6398,2115 6427,2144 6541,2144 6564.39,2120.61 U3.14@6564.39,2074.75
  Top Layer w10: v1(5473,1701) C42.1@5553.83,1701 ; v1@5532,1899 5537,1904 U13.12@5537,1996.9 ; C10.2@5816.93,1710.25 5816.93,1734.93 5794.36,1757.5 U4.3@5794.36,1796.02 v1(5863,1796) ; U2.4@6152.46,1868.5 6236.81,1868.5 6249,1880.68 v1(6249,1907) ; C30.2@6227,2526.57 6227,2482 v1(6245,2464)
  Top Layer w30: C16.2@5446,1424.96 5542.98,1424.96 L1.2@5543.94,1424 5543.94,1549.94 5554.83,1560.83 C42.1@5554.83,1702 C42.1@5553.83,1701
  Bottom Layer w8: v1(6245,2464) 6245,2440 6282,2403 6282,2209.87 ; v1(6249,1907) 6249,1926 6282,1959 6282,2209.87 ; U9.14@6564.39,2293.25 6564.39,2248.94 6554.95,2239.5 6413.91,2239.5 6405.41,2248 6320.13,2248 6282,2209.87
  Bottom Layer w10: v1(5473,1701) 5473,1749 5520,1796 ; C43.2@5522.43,2002 5522.43,1969 5537,1954.43 v1(5537,1894) 5537,1813 5520,1796 ; U14.2@5846.84,2127.31 5846.84,2086.9 C47.2@5872.43,2061.32 ; U14.1@5872.43,2127.31 C47.2@5872.43,2061.32 ; U8.4@6152.46,2517.5 6236.81,2517.5 6245,2509.32 v1(6245,2464) ; v1(6249,1907) 6249,1860.43 C8.2@6247,1858.43 6174.43,1858.43 6112,1796 v1(5863,1796) ; 5520,1796 v1(5863,1796) ; v1(5863,1796) 5863,1918 5872.43,1927.43 C47.2@5872.43,2061.32
5V-REG: C22.1 C23.2 C26.1 R18.2 U6.4 U7.1 | length 1390.2
  Top Layer w10: v1(3872,1494) 3911,1494 3933.12,1516.12 R18.2@3933.12,1580.27
  Top Layer w20: v1(4075,1244) 4151.17,1244 C26.1@4153,1242.17 4154.02,1241.14 U7.1@4307.45,1241.14
  Bottom Layer w10: v1@3869,1495 3871,1493 3872,1492 3872,1330 3900.96,1301.04 C23.2@3972.53,1301.04
  Bottom Layer w20: C23.2@3972.53,1301.04 4017.96,1301.04 v1(4075,1244) 4243,1244 4270.17,1271.17 C22.1@4376.45,1271.17 4414.61,1271.17 4472.45,1329 4655.65,1329 U6.4@4656.65,1328
5V-USB: C36.1 D6.1 D7.1 J1.1 R36.2 R37.2 U10.7 U10.8 U12.15 | length 2876.3
  Top Layer w8: v1(2830,1995) 2832,1997 R37.2@2832,2038.57 ; R36.2@2832,1828.43 2832,1894 2862,1924 U10.8@2918,1924 U10.8@2918,1922 ; U10.7@2918,2024 3043,2024 3092,1975 v1(3092,1939)
  Top Layer w10: R37.2@2832,2038.57 2869.43,2038.57 2884,2024 U10.7@2918,2024 U10.8@2918,1924 ; J1.1@3039.79,2431.84 3039.79,2348.21 3066,2322 3280.13,2322 3651.13,2693 3774,2693 3805,2724 3805,2965 3830.34,2990.34 D6.1@3871,2990.34 3940.66,2990.34 D7.1@3944,2987
  Bottom Layer w8: 2851.99,2320.01 C36.1@2851.99,2407.57 ; v1(3092,1939) 3092,1983.63 3148.87,2040.5 U12.15@3193.54,2040.5
  Bottom Layer w20: v1(2830,1995) 2830,2298 2852,2320 2963.84,2431.84 J1.1@3039.79,2431.84
AGND: C8.1 C10.1 C11.1 C12.1 C13.2 C14.2 C15.1 C16.1 C17.2 C18.2 C19.2 C20.2 C21.1 C30.1 C33.1 C34.1 C35.1 C40.2 C41.1 C42.2 C43.1 C47.1 C48.1 C49.1 J2.2 J3.2 J4.2 J5.2 P2.17 P2.18 R8.1 R9.1 R10.1 R19.1 R20.1 R22.1 R26.1 R39.1 U2.13 U2.14 U2.15 U3.3 U3.15 U4.2 U4.5 U5.1 U8.13 U8.14 U8.15 U9.3 U9.15 U13.9 U13.10 U13.14 U13.18 U14.3 U14.4 U14.5 U14.8 | length 12022.2
  Top Layer w8: v1@5387,1893 5387,1894 U13.9@5387,1996.9 ; C30.1@6227,2593.49 C30.1@6227,2597.43 6227,2652 6238,2663 v1(6290,2663) 6685,2663 6714,2634 P2.18@6771,2634 ; U2.15@6334.04,1920 U2.15@6335.54,1918.5 ; v1(6379,2281) 6379,2252 6393.5,2237.5 6557.5,2237.5 6564.39,2244.39 U3.3@6564.39,2293.25 6564.39,2340.39 6590,2366 6638,2366 6662,2342 6662,2068 v1@6658,2064 ; U3.15@6589.98,2074.75 6589.98,2030.02 6600,2020 6645,2020 6658,2033 v1(6658,2062)
  Top Layer w10: v1(5286,2460) 5287,2459 U13.18@5287,2359.1 5287,2283 5298,2272 5474,2272 5487,2285 U13.14@5487,2359.1 5487,2459 v1(5488,2460) v1@5489,2461 ; C42.2@5309.17,1702 v1@5391,1702 ; v1@5387,1893 v1(5388,1894) 5389,1895 C12.1@5436,1895 ; U13.9@5387,1996.9 U13.10@5437,1996.9 ; R39.1@5654,1978.43 5654.81,1979.25 C11.1@5746.06,1979.25 ; v1(5749,2045) 5746.06,2042.07 C11.1@5746.06,1979.25 ; R9.1@5942,1703.57 5961.57,1684 v1@6004,1684 ; v1@6005,1685 6004.5,1684.5 v1@6004,1684 ; R10.1@6222.43,1719 6270,1719 v1(6272,1721) ; U2.13@6335.54,1868.5 U2.14@6335.54,1893.5 ; U2.15@6335.54,1918.5 U2.14@6335.54,1893.5 ; R8.1@6420,1885.57 6468.57,1885.57 v1(6469,1886) ; R8.1@6433,1886.57 6420,1886.57 6397.43,1886.57 6390.5,1893.5 U2.14@6335.54,1893.5 ; C11.1@5746.06,1979.25 5746.06,1954.56 5756.96,1943.67 U4.5@5756.96,1892.48 U4.2@5756.96,1796.02 5756.96,1745.83 5746.06,1734.93 C10.1@5746.06,1710.25 5746.06,1662.93 5759,1650 5970,1650 v1@6004,1684
  Top Layer w20: v1@5391,1702 v1(5393,1700)
  Top Layer w30: C42.2@5309.17,1702 5309.17,1453 5309.17,1413 5309.17,1373 5309.17,1333 5309.17,1315.83 5328,1297 5446,1297 C16.1@5450,1297 ; C16.1@5446,1295.04 C15.1@5770,1295.04 5770,1252 5836,1186 5936,1186 5940.42,1181.58 5970,1152 6416,1152 6457.23,1193.23 U5.1@6457.23,1237.24 6515.76,1237.24 6548.83,1204.17 C13.2@6617,1204.17 6637,1224.17 v1(6637,1275)
  Bottom Layer w8: v1(5388,1894) 5388,1967.88 5398.43,1978.32 C49.1@5398.43,2002 ; U14.5@5795.66,2286.76 5779.24,2286.76 5711,2355 5711,2427 5711,2517 5725.43,2531.43 C35.1@5765,2531.43 C34.1@5814,2531.43 5814,2669 5827.43,2682.43 R22.1@5931,2682.43 6103.43,2682.43 6123,2702 6214,2702 6223.43,2692.57 R20.1@6223.43,2663 v1(6290,2663) ; 5821,2194 5821.25,2193.75 U14.3@5821.25,2127.31 ; 6301,2042 6353,2042 6375,2064 6375,2090 6413,2128 6558,2128 6564.39,2121.61 U9.3@6564.39,2074.75 6564.39,2028.61 6573,2020 6645,2020 6658,2033 v1(6658,2062) ; U8.15@6335.54,2467.5 6390.5,2467.5 6400,2458 6400,2400.57 R19.1@6392.43,2393 6392.43,2294.43 v1(6379,2281) ; 6397.54,2229 6405.04,2221.5 6562.4,2221.5 6589.98,2249.07 U9.15@6589.98,2293.25
  Bottom Layer w10: C41.1@5278.57,2357 5278.57,2406.57 5286,2414 v1(5286,2460) ; v1(5388,1894) 5387.43,1893.43 5387.43,1823.15 5393,1817.58 v1(5393,1700) ; C49.1@5398.43,2002 C43.1@5451.57,2002 5451.57,2231.57 5497.43,2277.43 C40.2@5497.43,2357 5497.43,2405.57 5488,2415 v1(5488,2460) 5489.57,2461.57 C33.1@5552,2461.57 5676.43,2461.57 5711,2427 ; v1(5749,2045) 5765.31,2061.32 C47.1@5801.57,2061.32 5795.66,2067.22 U14.4@5795.66,2127.31 ; U14.5@5795.66,2286.76 5795.66,2245.43 5834.05,2207.04 ; U14.4@5796,2127.31 5796,2168.99 5821,2194 5834.05,2207.04 ; C48.1@5901.43,2368.31 5894.78,2361.66 5872.43,2339.31 U14.8@5872.43,2286.76 5872.43,2245.42 5834.05,2207.04 ; v1(6005,1684) 6041,1720 6271,1720 v1(6272,1721) 6285,1721 6299,1735 6299,1804 ; C8.1@6247,1787.57 6282.57,1787.57 6299,1804 ; U8.15@6335.54,2467.5 U8.14@6335.54,2492.5 U8.13@6335.54,2517.5 ; 6397.54,2229 6328,2229 6301,2202 6301,2042 6301,1888 6299,1886 ; v1(6469,1886) 6299,1886 ; R26.1@6478,2440.57 6515.57,2440.57 6709,2634 P2.18@6771,2634 P2.17@6871,2634 ; 6299,1804 6299,1886
  Bottom Layer w30: C17.2@5532.66,1210.94 C18.2@5747.66,1210.94 C19.2@6223.66,1210.94 C20.2@6443.66,1210.94 6539.94,1210.94 6618.66,1289.66 C21.1@6618.66,1327.7
  other v2: 5446.5,1059.5 5698,1062 5947,1062 6196,1062 6445,1062 6694,1062 6875,1227 6870,1442 5449,1555 5698,1555 5947,1555 6196,1555 6445,1555 6694,1555 6593,1793 6165,2021 5659,2048 5949,2173 5532,2179 5739,2212 5638,2309 6151,2334 6574,2583 5365,2775 5669.4,2775 5973.8,2775 6278.2,2775 6582.6,2775 6887,2775